# Altium PCB AVCI_Mk1.PcbDoc (part 2 of 4) (continued)
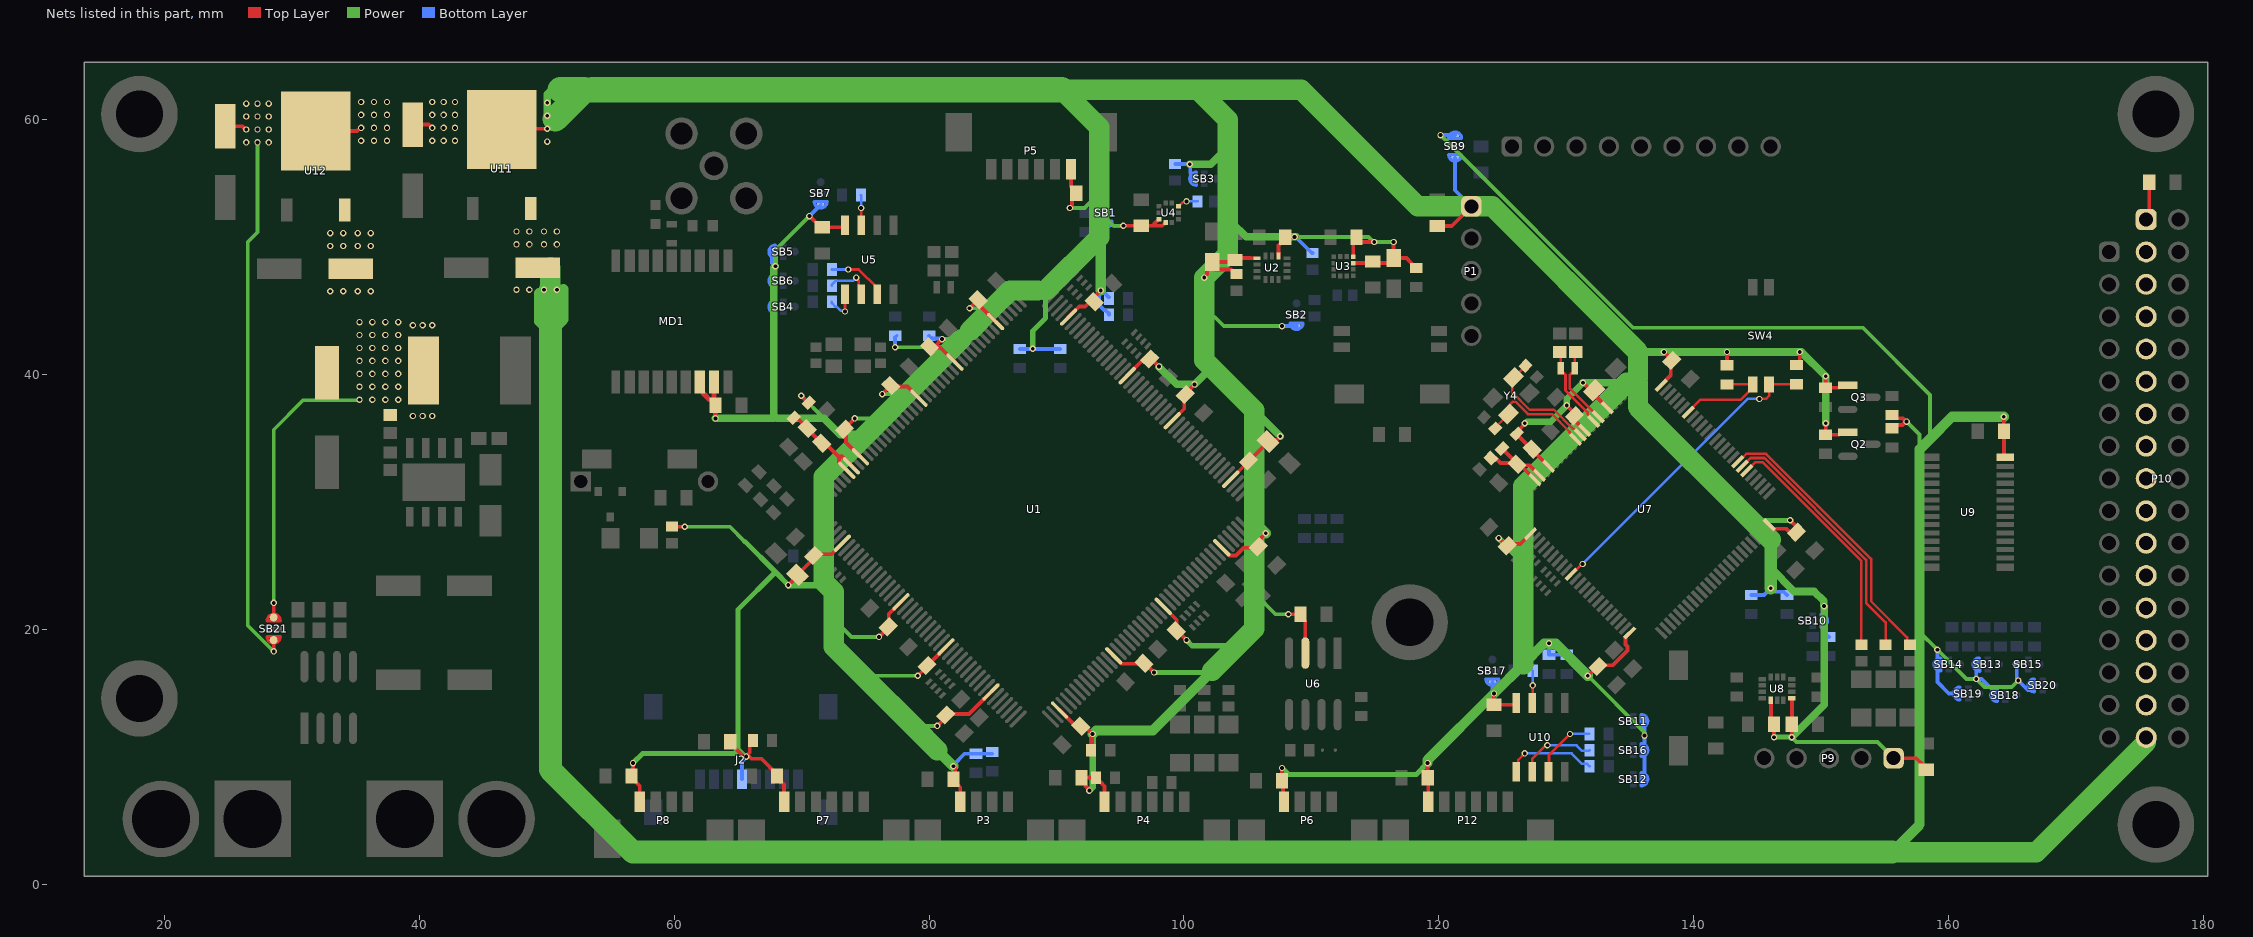
[diagram p4: the nets of this part, all layers, seen from the top]
## Part data (continued)
U6: library part CMP-0315-00015-3, "IC TRANSCEIVER HALF 1/1 8SOIC", Case/Package=D, Max Operating Temperature=85°C, Max Supply Current=17mA, Max Supply Voltage=3.6V, Min Operating Temperature=-40°C, Min Supply Voltage=3V, Operating Supply Voltage=3.3V, Package Quantity=1, Contact Plating=Gold, Data Rate=1Mbps, Lead Free="Lead Free", Nominal Supply Current=17mA, Number of Drivers=1, Number of Pins=8, Number of Receive Buffers=1, Number of Receivers=1, Number of Transceivers=1, Number of Transmit Buffers=1, Number of I/Os=2, Packaging="Tape and Reel", Radiation Hardening=No, REACH SVHC="No SVHC", Termination=SMD/SMT, Weight=0.002561oz
U7: library part CMP-0243-00017-5, Ambient Temperature Range High=85°C, Case/Package=LQFP, Frequency=168MHz, Manufacturer Package Identifier=1L_ME_V5, Max Junction Temperature (Tj)=125°C, Max Supply Voltage=3.6V, Min Operating Temperature=-40°C, Min Supply Voltage=1.8V, Nominal Supply Current=1.7µA, Address Bus Width=32b, Core Architecture="ARM Cortex-M4", Data Bus Width=32b, Flash Memory Size=1MB, Height=1.45mm, Lead Free="Lead Free", Length=14.2mm, Lifecycle Status=Production, Max Frequency=168MHz, Max Operating Temperature=85°C, Memory Size=1MB, Memory Type=FLASH, NexarPartId=20570110, Number of A/D Converters=3, Number of ADC Channels=16, Number of Channels=16, Number of D/A Converters=2, Number of Ethernet Channels=1, Number of Pins=100, Number of Programmable I/O=82, Number of PWM Channels=2, Number of SPI Channels=3, Number of Timers/Counters=14, Number of UART Channels=2, Number of USART Channels=4, Number of USB Channels=1, Number of I2C Channels=3, Number of I/Os=82, Oscillator Type=Internal, Peripherals="Brown-out Detect/Reset, DMA, I2C, LCD, POR, PWM, WDT", Radiation Hardening=No, RAM Size=192kB, REACH SVHC="No SVHC", RoHS=Compliant, Schedule B="8542310000, 8542310000", Watchdog Timer=Yes, Width=14.2mm, Interface="CAN, Ethernet, I2C, I2S, IrDA, LIN, SPI, UART, USART, USB"
U8: library part CMP-2000-07467-2, "IMU ACCEL/GYRO I2C/SPI 14LGA", Manufacturer=STMicroelectronics, Max Supply Voltage=3.6V, Min Supply Voltage=1.62V, Operating Supply Current=0.29-0.65mA, Package=LGA-14L-DM00249496, Temperature="-40°C to +85°C", Temperature Range High=+85°C, Temperature Range Low=-40°C, Accel Range=2/4/8/16g, Automotive=No, Category=IC, ComponentLink2Description=Datasheet, ComponentLink2URL=https://www.st.com/resource/en/datasheet/lsm6dsl.pdf, Device Class L1=Sensors, Device Class L2="Motion Sensors", Device Class L3="Inertial Measurement Units (IMUs)", Digikey Description="IMU ACCEL/GYRO I2C/SPI 14LGA", Footprint Url=https://www.st.com/resource/en/technical_note/cd00134799.pdf, Gyro Range=125/250/500/1000/2000°/s, Height=0.86mm, Lead Free=Yes, Manufacturer Part Number=LSM6DSLTR, Mouser Description="iNEMO inertial module: always-on 3D accelerometer and 3D gyroscope", Octopart=https://octopart.com/lsm6dsltr-stmicroelectronics-66358193, Resolution=16bits, RoHS=TRUE, Sensor Output=I2C,SPI, Sensor Type=Temperature,Accelerometer,Gyroscope
U9: library part CMP-1595-00003-3, "IC LED DRIVER RGBA 28-TSSOP", Ambient Temperature Range High=+85°C, Ambient Temperature Range Low=-40°C, Manufacturer="NXP Semiconductors", Max Power Dissipation=400mW, Max Supply Voltage=5.5V, Min Supply Voltage=2.3V, Nominal Supply Current=6mA, Output Current=25mA, Output Voltage=5V, Package=SOT361-1, Temperature="-40°C to +85°C", Automotive=No, Category=IC, Ciiva Ids=1426473, ComponentLink2Description=Datasheet, ComponentLink2URL=https://www.nxp.com/docs/en/data-sheet/PCA9685.pdf, Device Class L1="Integrated Circuits (ICs)", Device Class L2="Power Management ICs", Device Class L3="LED Drivers", Digikey Description="IC LED DRIVER RGBA 28-TSSOP", Dimming=I2C,PWM, Footprint Url=https://www.nxp.com/docs/en/package-information/SOT361-1.pdf, Height=1.1mm, Lead Free=Yes, Manufacturer Part Number=PCA9685PW,118, Mouser Description="LED Display Drivers I2C Bus LED Controller 28-Pin", Number Of Outputs=16, Octopart=https://octopart.com/pca9685pw%2C118-nxp+semiconductors-11853435, Release Date=1454319143, RoHS=TRUE, Standoff Height=0.05mm, Temperature Range High=+85°C, Temperature Range Low=-40°C, Import Ts=1521846855
U11 U12: library part CMP-0244-00125-1, "1.5A, Low Drop Positive Voltage Regulator, 3.3V, 3-Pin DPAK, Tape and Reel", Component Type=VRM, ComponentLink1Description="Manufacturer URL", ComponentLink1URL=http://www.st.com, ComponentLink2Description=Datasheet, ComponentLink2URL=http://www.st.com/internet/com/TECHNICAL_RESOURCES/TECHNICAL_LITERATURE/DATASHEET/CD00001884.pdf, DatasheetVersion=11/07/2011, PackageDescription="3-Pin Transistor Outline Package 2.28 mm Pitch, 9.7 mm Lead Span (DPAK)", PackageReference=TO-252, PackageVersion=2011
U13: library part CMP-2000-04960-2, "IC REG BUCK ADJUSTABLE 3A 8SOPWR", Manufacturer="Texas Instruments", Max Junction Temp=+125°C, Max Supply Voltage=36V, Min Supply Voltage=5.5V, Nominal Supply Current=3mA, Output Current=3A, Output Voltage=1.23-31V, Package=DDA0008J, Switching Frequency=500kHz, Temperature="-40°C to +125°C", Temperature Range Low=-40°C, Automotive=No, Category=IC, Component Type=VRM, ComponentLink2Description=Datasheet, ComponentLink2URL=http://www.ti.com/lit/ds/symlink/tps5431.pdf, Device Class L1="Integrated Circuits (ICs)", Device Class L2="Power Management ICs", Device Class L3="Voltage Regulators - Switching", Digikey Description="IC REG BUCK ADJUSTABLE 3A 8SOPWR", Height=1.7mm, Lead Free=Yes, Manufacturer Part Number=TPS5430DDA, Max Duty Cycle=89%, Mouser Description="Voltage Regulators - Switching Regulators 5.5 to 36V Input 3A Step Dwn Converter", Number Of Outputs=1, Octopart=https://octopart.com/tps5430dda-texas+instruments-589977, Output Type=AdjustableProgrammable, RoHS=TRUE, Standoff Height=0mm, Switching Topology=Buck, Temperature Range High=+125°C
U14: library part CMP-82923-000166-2, "SENSOR CURRENT HALL 30A AC/DC", Case/Package=SOIC, Current Sensing=30A, Frequency=120kHz, Max Operating Temperature=150°C, Max Supply Current=14mA, Min Operating Temperature=-40°C, Accuracy=0.8%, Linearity=1.5%, Mount="Surface Mount", Number of Channels=1, Number of Pins=8, Packaging="Tape and Reel", Polarity=Bidirectional, Response Time=4us, RoHS Compliant=Yes, Sensitivity=66mV/A
Y1 Y4: library part CMP-27762-010178-1, "Crystal 25MHz ±10ppm 10pF SMD-4 3.2mm x 2.5mm", Case/Package=SMD/SMT, ESR (Equivalent Series Resistance)=50R, Frequency=25MHz, Frequency Stability=15ppm, Frequency Tolerance=10ppm, Load Capacitance=10pF, Max Operating Temperature=85°C, Min Operating Temperature=-40°C, Height=0.031inch, Length=0.126inch, Mount="Surface Mount", Packaging="Tape and Reel", RoHS Compliant=Yes, Width=0.098inch
Y2 Y3: library part CMP-27762-008890-2, "Crystal 32.768kHz ±20ppm (Tol) 12.5pF FUND 90kΩ 2-Pin SMD T/R", Case/Package=CSMD, ESR (Equivalent Series Resistance)=90kR, Frequency=32.768kHz, Frequency Tolerance=20ppm, Load Capacitance=12.5pF, Max Operating Temperature=85°C, Min Operating Temperature=-40°C, Operating Frequency="32.768 kHz", Package Quantity=3000, Depth=1mm, Height=0.5mm, Lead Free="Lead Free", Length=1.6mm, Mount="Surface Mount", Number of Pins=2, Packaging="Tape and Reel", Radiation Hardening=No, REACH SVHC="No SVHC", RoHS Compliant=Yes, Series=ABS05, Series Resistance=90kR, Termination=SMD/SMT, Tolerance=20ppm, Width=1mm

## Via types
v1: diameter 0.5, hole 0.3, Top Layer to Bottom Layer, 609 vias
v2: diameter 0.5, hole 0.2, Top Layer to Bottom Layer, 8 vias
v3: diameter 0.5/0.5/0.5/0.5 (per signal layer), hole 0.3, Top Layer to Bottom Layer, 1 vias

## Nets (pads, with @x,y where several pads share a name; then routed paths per layer and width w, separated by ;. In a path a pad name is that pad's centre, name@x,y a point inside that pad or via, vN(x,y) a via of type N, cw(c..) or ccw(c..) an arc to the next point about the centre after c; other vN are vias at no path point)
+3V3: C10.2 C11.1 C12.1 C13.1 C14.1 C15.1 C16.1 C17.1 C18.1 C19.1 C20.2 C21.1 C22.1 C23.1 C24.1 C25.1 C26.1 C27.1 C29.2 C30.2 C31.1 C32.1 C33.1 C34.1 C35.1 C36.1 C37.1 C40.1 C41.1 C42.1 C44.1 C45.1 C46.1 C47.1 C48.1 C49.1 C59.2 C60.1 C61.1 C62.1 C63.1 C64.1 C65.1 C66.1 C67.1 C69.2 C70.1 C71.1 C78.1 C80.1 FB1.1 FB2.1 J2.4 MD1.7 MD1.8 P1.1 P3.1 P4.1 P5.1 P6.1 P7.1 P8.1 P9.1 P12.1 Q2.1 Q3.1 R11.1 R20.2 R21.2 R22.2 R23.2 R24.2 R25.2 R26.2 R27.2 R28.2 R29.2 R31.2 R32.1 R33.2 R36.2 R44.2 R47.1 R50.1 R51.2 R52.2 R53.2 R54.2 R59.2 R61.1 R62.2 SB1.1 SB2.1 SB3.1 SB4.1 SB5.1 SB6.1 SB7.1 SB9.2 SB10.1 SB11.1 SB12.1 SB16.1 SB17.1 SB21.2 U1.6 U1.15 U1.23 U1.36 U1.49 U1.62 U1.72 U1.82 U1.91 U1.103 U1.114 U1.127 U1.136 U1.149 U1.159 U1.172 U2.5 U2.8 U3.9 U3.10 U4.1 U4.10 U5.8 U6.3 U7.6 U7.11 U7.19 U7.28 U7.50 U7.75 U7.100 U8.5 U8.8 U10.8 U11.4 U12.4 | length 809.4
  Top Layer w0.3: C80.1@24.765,59.505 26.102,59.505 26.362,59.245 v1(26.416,59.245) ; v1(28.575,18.288) 28.575,18.923 SB21.2@28.575,19.177 ; U12.4@31.877,59.118 35.125,59.118 35.379,59.372 v1(35.433,59.372) ; C78.1@39.497,59.632 40.747,59.632 41.007,59.372 v1(41.021,59.372) ; U11.4@46.482,59.245 46.545,59.309 v1(50.038,59.309) ; C49.1@56.66,8.384 57.307,7.737 P8.1@57.307,6.483 ; C49.1@56.66,8.509 56.769,8.618 v1(56.769,9.525) ; R36.2@59.817,28.082 59.824,28.075 60.825,28.075 v1(60.833,28.067) ; MD1.7@62.017,39.446 62.267,39.196 MD1.7@62.267,38.562 ; C37.1@62.784,38.045 62.909,38.045 63.117,37.837 63.117,37.712 C37.1@63.237,37.592 C37.1@63.246,37.583 ; C42.1@64.402,11.209 64.402,11.084 65.415,10.071 65.621,10.071 v1(65.659,10.033) ; R44.2@66.179,11.303 65.929,11.053 65.929,10.357 65.659,10.087 v1(65.659,10.033) ; C48.1@68.081,8.384 68.63,7.835 P7.1@68.63,6.483 ; C48.1@68.081,8.509 68.081,8.634 66.847,9.868 66.059,9.868 65.932,9.995 65.697,9.995 v1(65.659,10.033) ; v1(68.961,23.495) 69.81,24.344 69.81,24.424 70.956,25.571 C25.1@70.956,25.818 71.044,25.907 72.333,25.907 U1.49@73.204,26.777 ; v1(69.977,38.354) 70.626,37.705 70.626,37.698 70.499,37.571 FB1.1@70.499,37.451 ; v1(70.612,52.451) 70.623,52.451 71.503,51.571 C36.1@71.628,51.571 73.256,51.571 U5.8@73.406,51.722 ; C12.1@73.032,35.851 C12.1@73.496,35.851 ; v1(74.168,36.576) 73.496,35.904 C12.1@73.496,35.851 ; U1.36@74.618,33.565 73.496,34.687 73.496,35.21 73.407,35.299 73.407,35.763 C12.1@73.496,35.851 ; v1(76.073,19.431) 76.798,20.156 C24.1@76.798,20.23 ; v1(76.327,38.481) C26.1@76.999,39.153 ; C24.1@76.886,20.319 76.886,20.783 76.845,20.824 76.845,21.226 U1.62@77.8,22.181 ; C26.1@77.088,39.065 78.311,39.065 U1.23@79.214,38.161 ; v1(79.121,16.383) 79.846,17.108 C21.1@79.846,17.182 79.872,17.182 U1.72@81.335,18.645 ; C27.1@80.047,42.201 80.428,42.201 81.022,42.795 v1(81.03,42.795) ; C27.1@80.428,42.113 80.6,42.113 80.635,42.148 80.884,42.148 U1.15@82.042,40.99 ; v1(80.645,12.446) 81.317,13.118 C23.1@81.317,13.298 ; C23.1@81.406,13.386 83.147,13.386 U1.82@84.871,15.11 ; v1@82.042,9.271 82.042,8.248 81.924,8.13 82.252,7.802 82.277,7.802 82.453,7.626 P3.1@82.453,6.483 ; v1(83.185,45.212) C11.1@83.857,45.884 ; C11.1@83.803,45.593 U1.6@85.224,44.172 ; U1.91@90.245,13.696 91.532,12.409 C22.1@91.911,12.409 92.239,12.409 v1(92.837,11.811) 92.799,11.773 92.799,10.618 R21.2@92.722,10.541 ; U1.172@90.952,44.525 91.791,45.364 92.256,45.364 92.612,45.72 C13.1@92.964,45.72 92.964,46.101 v1(93.472,46.609) ; v1(91.059,53.086) 91.059,53.14 91.221,53.302 91.221,53.901 C46.1@91.549,54.229 91.549,54.354 91.136,54.767 P5.1@91.136,56.128 ; v1(92.583,7.366) 92.583,7.42 92.285,7.718 92.285,8.054 C45.1@91.957,8.382 93.003,8.382 93.353,8.032 93.453,8.032 93.776,7.709 P4.1@93.776,6.483 ; U1.103@94.488,17.938 95.103,17.323 C16.1@96.902,17.323 ; v1(95.25,51.689) C35.1@96.651,51.689 ; U1.159@95.548,39.929 96.857,41.238 C14.1@97.319,41.238 97.446,41.238 v1(98.044,40.64) ; C35.1@96.651,51.689 97.531,51.689 ; C16.1@96.864,17.362 96.938,17.362 v1(97.663,16.637) ; 97.743,51.913 98.035,52.206 U4.10@98.048,52.206 ; 97.785,51.943 97.531,51.689 ; U1.114@98.377,21.827 99.442,20.761 C17.1@99.442,19.902 ; U4.1@98.56,51.943 98.56,51.931 98.535,51.905 98.523,51.905 98.306,51.689 97.531,51.689 ; U1.149@99.084,36.394 100.025,37.335 100.025,38.355 C15.1@100.113,38.444 100.113,38.518 v1(100.838,39.243) ; C17.1@99.404,19.902 C17.1@99.442,19.902 ; C17.1@99.442,19.863 C17.1@99.442,19.902 ; v1(100.203,19.177) 99.478,19.902 C17.1@99.442,19.902 ; v1(101.6,47.625) 101.6,47.679 101.82,47.899 101.82,48.423 C29.2@102.235,48.838 ; U1.127@102.973,26.423 103.57,25.827 104.085,25.827 104.676,26.417 105.74,26.417 C18.1@105.828,26.506 105.828,26.961 v1(106.426,27.559) ; U1.136@103.68,31.797 106.339,34.457 C20.2@106.339,35.012 ; R32.1@104.14,47.894 104.065,47.894 103.699,48.26 102.489,48.26 102.489,48.584 C29.2@102.235,48.838 ; U2.8@105.735,49.141 105.733,49.144 105.262,49.144 105.244,49.161 104.109,49.161 103.786,48.838 C29.2@102.235,48.838 ; C20.2@106.593,34.758 107.148,34.758 v1(107.569,35.179) ; U2.5@107.416,49.318 107.416,50.132 C32.1@107.959,50.675 ; v1(107.696,9.144) 107.696,8.137 C47.1@107.705,8.128 ; C47.1@107.779,7.8 107.779,6.557 P6.1@107.853,6.483 ; C32.1@107.959,50.8 v1@108.839,50.8 ; v1(108.204,21.209) C40.1@109.14,21.209 ; C40.1@109.14,21.084 109.53,20.694 U6.3@109.53,18.162 ; U3.9@113.285,48.764 116.074,48.764 C30.2@116.459,49.149 ; U3.10@113.285,49.264 C34.1@113.285,50.681 ; C34.1@113.547,50.8 113.547,50.747 113.875,50.419 v1(114.935,50.419) ; v1(116.459,50.419) C30.2@116.459,49.149 ; R11.1@118.237,48.375 118.137,48.375 117.887,48.625 117.887,48.725 117.463,49.149 C30.2@116.459,49.149 ; v1(119.126,9.525) 119.126,8.391 C71.1@119.135,8.382 119.176,8.341 P12.1@119.176,6.483 ; C41.1@119.888,51.68 121.022,51.68 P1.1@122.555,53.213 ; C69.2@123.952,14.106 C69.2@124.333,14.106 ; v1(124.333,14.986) C69.2@124.333,14.106 ; v1(124.714,27.178) 125.185,26.707 125.185,26.58 C62.1@125.387,26.58 ; C62.1@125.514,26.707 125.552,26.669 125.939,26.669 125.978,26.707 126.391,26.707 U7.28@127.203,27.519 ; U10.8@126.075,14.248 125.933,14.106 C69.2@124.333,14.106 ; v1(126.746,36.195) 126.746,36.141 126.29,35.685 126.29,35.478 126.298,35.47 126.134,35.306 U7.19@128.618,32.823 ; v1(130.048,37.592) 130.659,36.981 C60.1@130.659,36.79 130.659,36.438 U7.11@131.446,35.651 ; v1(131.318,39.37) 131.913,38.775 C59.2@132.195,38.775 132.195,38.437 U7.6@133.214,37.419 ; v1(131.699,16.383) 132.424,17.108 C61.1@132.498,17.108 ; C61.1@132.587,17.196 133.645,17.196 134.803,18.354 134.803,18.684 134.663,18.823 134.663,19.423 U7.50@134.982,19.741 ; U7.100@137.456,39.187 138.2,39.93 138.2,41.022 C63.1@138.288,41.111 138.288,41.163 v1(137.668,41.783) ; R47.1@142.621,40.743 v1(142.621,41.783) ; U7.75@145.942,28.227 146.26,27.908 147.277,27.908 147.57,27.615 148.034,27.615 C65.1@148.067,27.649 148.067,28.082 v1(147.574,28.575) ; U8.5@146.049,14.454 146.074,14.429 146.074,12.812 C66.1@146.313,12.573 146.304,12.564 v1(146.304,11.557) ; U8.8@147.574,14.592 147.599,14.617 U8.8@147.711,14.617 147.711,12.583 C67.1@147.701,12.573 v1(147.701,11.557) ; R50.1@148.082,40.755 148.086,40.755 148.336,41.005 v1(148.336,41.783) ; v1(150.368,36.195) 150.368,35.315 R59.2@150.347,35.294 151.43,35.294 151.63,35.494 Q2.1@152.104,35.494 ; v1(150.368,39.878) 150.368,38.998 R62.2@150.347,38.977 151.409,38.977 151.609,39.177 Q3.1@152.082,39.177 ; P9.1@155.702,9.906 157.473,9.906 157.99,9.389 C70.1@158.115,9.389
  Top Layer w0.4: MD1.7@62.267,38.562 C37.1@62.784,38.045 ; C37.1@63.117,37.837 MD1.8@63.117,39.446 ; v1(63.246,36.576) C37.1@63.246,37.583
  Power w0.3: v1(27.305,58.229) 27.305,51.181 26.543,50.419 26.543,20.32 v1(28.575,18.288) ; 50.8,59.817 51.054,59.817 ; v1(60.833,28.067) 64.389,28.067 65.532,26.924 ; 67.945,49.784 v1(70.612,52.451) ; v1(69.977,38.354) 71.755,36.576 ; 72.517,20.828 73.914,19.431 v1(76.073,19.431) ; v1(74.168,36.576) 76.073,36.576 76.2,36.449 ; 74.993,16.192 75.184,16.383 v1(79.121,16.383) ; v1(76.327,38.481) 78.105,38.481 78.168,38.417 ; v1(77.343,42.164) 78.105,42.164 81.915,42.164 ; 78.867,12.319 78.994,12.446 v1(80.645,12.446) ; v1(81.03,42.795) 82.546,42.795 82.995,43.243 ; v1(83.185,45.212) 84.963,45.212 85.153,45.402 ; v1(91.059,53.086) 92.202,53.086 93.345,54.229 ; 93.345,50.8 93.472,50.673 ; 93.345,52.832 94.488,51.689 v1(95.25,51.689) ; 101.6,44.196 101.981,43.815 ; 101.6,45.339 103.124,43.815 v1(107.696,43.815) ; 102.108,16.637 102.235,16.764 ; 102.108,40.513 102.235,40.513 ; 104.965,29.083 105.474,28.575 ; 105.537,22.86 107.188,21.209 v1(108.204,21.209) ; v1@108.818,50.818 114.482,50.818 114.881,50.419 v1(114.935,50.419) v1(116.459,50.419) ; v1(128.651,18.923) v1@128.689,18.885 ; v1@131.28,39.332 v1(131.318,39.37) ; v1(131.699,16.383) 136.106,11.976 ; v1(136.144,11.684) 136.144,11.938 ; v1(147.701,11.557) 148.082,11.176 154.432,11.176 P9.1@155.702,9.906 ; v1@150.208,21.877 v1(150.241,21.844)
  Power w0.4: v1(56.769,9.525) 57.531,10.287 64.729,10.287 65.024,10.582 ; 65.532,26.924 67.945,24.511 ; v1@65.538,10.083 65.582,10.083 v1@65.632,10.033 ; v1@65.573,10.033 65.024,10.582 ; v1(67.945,48.514) 67.945,49.784 ; v1(68.961,23.495) 67.945,24.511 ; v1(88.138,42.037) 88.138,43.434 89.154,44.45 89.154,46.609 ; v1(97.663,16.637) 102.108,16.637 ; v1(100.203,19.177) 100.647,18.732 104.203,18.732 ; v1(107.696,9.144) 108.204,8.636 118.237,8.636 v1(119.126,9.525) ; v1@128.64,18.912 v1(128.651,18.923) ; 144.526,28.575 v1(147.574,28.575) ; v1(146.304,11.557) v1(147.701,11.557) ; 65.024,10.582 65.024,21.59 67.945,24.511
  Power w0.5: v1(68.961,23.495) 72.009,23.495 71.755,23.749 ; v1(92.583,7.366) 92.837,7.62 v1(92.837,11.811) ; v1(124.714,27.178) 126.365,25.527 ; v1@126.8,36.195 126.927,36.322 128.778,36.322 v1(130.048,37.592) 130.048,38.1 v1@131.28,39.332
  Power w0.6: 50.419,60.325 v1(50.038,60.325) v1(50.038,61.341) 50.038,62.006 50.389,62.357 51.054,62.357 ; v1(63.246,36.576) 67.818,36.576 ; v1(67.945,48.514) 67.818,48.387 67.818,36.83 68.072,36.576 71.755,36.576 73.025,35.306 75.057,35.306 ; v1(98.044,40.64) 99.441,39.243 v1(100.838,39.243) 102.108,40.513 ; v1(100.461,56.524) 102.117,56.524 103.251,57.658 ; 103.759,51.943 104.884,50.818 v1(108.691,50.818) v1@108.818,50.818 ; 105.537,37.211 v1(107.569,35.179) ; v1(131.318,39.37) 134.747,39.37 135.255,39.37 135.636,39.751 ; 135.636,41.783 v1(137.668,41.783) v1(142.621,41.783) v1(148.336,41.783) 148.463,41.783 v1(150.368,39.878) v1(150.368,36.195) ; 146.05,24.839 147.902,22.987 149.479,22.987 150.208,22.258 v1@150.208,21.877 ; v1(147.701,11.557) 150.241,14.097 v1(150.241,21.844)
  Power w0.8: 80.645,10.541 v1(81.915,9.271) ; v1(92.837,11.811) 93.113,12.087 97.558,12.087 102.108,16.637 ; v1(93.472,46.609) 93.472,50.673 ; 105.474,28.575 105.474,28.511 105.537,28.448 v1(106.426,27.559) ; v1(119.126,9.525) 119.126,9.779 v1(124.333,14.986) 126.619,17.272 128.259,18.912 v1@128.64,18.912 ; v1@128.689,18.885 129.197,18.885 v1(131.699,16.383) ; 135.636,39.37 135.636,39.751
  Power w1: v1(146.05,23.241) 146.05,24.839 146.05,27.051
  Power w1.6: 52.959,62.357 53.594,62.357 ; 71.755,23.749 71.755,32.004 75.057,35.306 76.2,36.449 78.168,38.417 81.915,42.164 82.546,42.795 ; 72.009,23.495 72.517,22.987 72.517,20.828 72.517,18.669 74.993,16.192 78.867,12.319 80.645,10.541 ; 83.185,43.434 84.963,45.212 ; 85.153,45.402 86.36,46.609 88.519,46.609 ; 89.154,46.609 93.345,50.8 93.345,52.832 93.345,54.229 93.345,59.436 90.424,62.357 101.092,62.357 ; 102.235,16.764 104.203,18.732 105.537,20.066 105.537,22.86 105.537,28.448 105.537,37.211 102.235,40.513 101.6,41.148 101.6,44.196 101.6,45.339 v1(101.6,47.625) 103.441,49.466 103.441,60.008 101.092,62.357 ; 126.619,17.272 126.619,31.242 134.747,39.37 ; 135.636,39.37 135.636,37.465 144.526,28.575 146.05,27.051 ; 135.636,39.751 135.636,41.783 124.206,53.213 P1.1@122.555,53.213 118.364,53.213 109.22,62.357 101.092,62.357
  Power w2: 50.673,60.071 52.959,62.357 51.054,62.357 ; 53.594,62.357 90.424,62.357
  Bottom Layer w0.3: J2.4@65.323,8.255 65.323,9.643 65.659,9.979 v1(65.659,10.033) ; SB4.1@67.691,45.339 67.691,45.779 67.691,46.931 SB6.1@67.691,47.371 67.691,47.811 67.691,48.206 67.945,48.46 v1(67.945,48.514) 67.945,48.519 67.691,48.773 67.691,49.217 SB5.1@67.691,49.657 ; v1(70.612,52.451) 71.292,53.131 SB7.1@71.501,53.34 ; v1(77.343,42.164) 77.343,42.938 R26.2@77.47,43.065 ; R27.2@80.01,43.065 80.241,42.834 80.992,42.834 v1(81.03,42.795) ; v1(81.915,9.271) 81.953,9.309 81.953,9.424 82.792,10.263 R28.2@83.693,10.263 R29.2@84.963,10.263 ; R22.2@87.122,42.025 87.128,42.031 88.132,42.031 v1(88.138,42.037) 88.144,42.031 90.291,42.031 R23.2@90.297,42.025 ; SB1.1@93.853,51.816 93.917,51.752 94.249,51.752 94.391,51.752 94.454,51.689 v1(95.25,51.689) ; R24.2@94.119,44.704 94.119,44.804 93.869,45.054 93.769,45.054 93.345,45.478 93.345,46.428 93.472,46.555 v1(93.472,46.609) 93.482,46.599 93.594,46.599 R25.2@94.119,46.074 ; R33.2@99.318,56.539 99.325,56.531 100.453,56.531 v1(100.461,56.524) 100.499,56.485 100.499,55.831 100.6,55.73 100.715,55.615 SB3.1@100.715,55.381 ; v1(107.696,43.815) 108.399,43.815 SB2.1@108.839,43.815 ; v1@108.712,50.8 108.75,50.762 108.817,50.762 110.034,49.545 R31.2@110.109,49.545 ; SB9.2@121.285,57.023 121.285,56.769 121.285,54.483 P1.1@122.555,53.213 ; SB17.1@124.206,15.841 124.206,15.621 124.206,15.167 124.295,15.078 124.295,15.006 v1@124.241,14.952 ; v1(128.651,18.923) R51.2@128.651,18.022 R52.2@130.048,18.022 ; SB12.1@136.144,8.255 136.144,8.695 136.144,10.101 SB16.1@136.144,10.541 136.144,10.981 v1(136.144,11.684) 136.144,12.387 SB11.1@136.144,12.827 ; R54.2@144.526,22.721 145.53,22.721 v1(146.05,23.241) 146.104,23.241 146.374,22.971 147.07,22.971 R53.2@147.32,22.721 ; SB10.1@150.241,20.701 150.241,21.141 v1(150.241,21.844) ; SB10.1@150.368,20.623 150.368,20.365 150.368,19.669 150.618,19.419 R61.1@150.622,19.419
  other v1: 26.416,58.229 28.194,58.229 50.038,58.293 35.433,58.356 36.449,58.356 37.465,58.356 41.021,58.356 41.91,58.356 42.799,58.356 27.305,59.245 28.194,59.245 36.449,59.372 37.465,59.372 41.91,59.372 42.799,59.372 26.416,60.261 27.305,60.261 28.194,60.261 35.433,60.389 36.449,60.389 37.465,60.389 41.021,60.389 41.91,60.389 42.799,60.389 26.416,61.277 27.305,61.277 28.194,61.277 35.433,61.404 36.449,61.404 37.465,61.404 41.021,61.404 41.91,61.404 42.799,61.404
+3V3A: C6.1 C7.1 FB1.2 U1.38 U1.39 | length 7.4
  Top Layer w0.3: FB1.2@69.394,36.628 69.648,36.628 70.829,35.446 70.829,35.396 C6.1@71.591,34.634 71.839,34.634 72.925,33.548 ; U1.39@73.557,32.505 72.925,33.137 72.925,33.548 ; U1.38@73.911,32.858 73.18,33.589 72.965,33.589 72.925,33.548
+3V3A_F: C55.1 C56.2 FB2.2 U7.21 U7.22 | length 7.3
  Top Layer w0.3: C56.2@124.088,33.462 124.441,33.462 124.594,33.309 124.608,33.309 124.846,33.071 C55.1@126.237,33.071 ; FB2.2@124.968,34.215 C55.1@126.106,33.077 ; U7.22@127.557,31.762 126.425,32.894 127.132,32.894 U7.21@127.91,32.116
+5: C68.1 C72.1 C74.1 C77.1 C79.1 L2.2 P10.1 P10.3 P10.5 P10.7 P10.9 P10.11 P10.13 P10.15 P10.17 P10.19 P10.21 P10.23 P10.25 P10.27 P10.29 P10.31 P10.33 R60.2 R63.2 R74.2 SB9.1 SB13.1 SB14.1 SB15.1 SB18.1 SB19.1 SB20.1 SB21.1 U9.28 U11.3 U12.3 | length 325.4
  Top Layer w0.3: SB21.1@28.575,20.955 SB21.1@28.575,21.209 ; SB21.1@28.582,20.962 28.582,21.209 v1@28.582,22.091 ; R60.2@155.575,35.802 155.825,36.052 156.394,36.052 v1@156.664,36.322 ; R63.2@155.575,36.842 155.825,36.592 156.394,36.592 v1@156.664,36.322 ; v1(156.718,36.322) v1@156.664,36.322 ; v1(164.338,36.703) 164.338,35.569 C68.1@164.347,35.56 164.347,33.648 U9.28@164.46,33.535 ; P10.1@175.514,52.178 175.759,52.423 C72.1@175.759,55.118
  Top Layer w0.6: SB21.1@28.575,20.955 SB21.1@28.582,20.962
  Power w0.3: v1(28.575,22.098) 28.575,35.687 30.886,37.998 35.268,37.998 v1(35.306,38.036) ; v1(120.142,58.801) 135.255,43.688 153.289,43.688 158.559,38.417 158.559,34.989 ; v1(156.718,36.322) 157.734,35.306 157.734,34.163 ; 157.734,19.812 v1(159.131,18.415) 161.417,16.129 v1(162.179,16.129) 162.814,15.494 164.963,15.494 165.471,16.002 v1(165.481,16.002)
  Power w0.8: 49.403,46.394 49.403,44.196 50.292,43.307 51.308,44.323 51.308,46.736 ; 155.575,2.54 157.734,4.699 157.734,19.812 157.734,34.163 158.559,34.989 160.274,36.703 v1(164.338,36.703)
  Power w1.6: 50.292,46.672 50.292,48.387 ; 155.575,2.54 166.878,2.54 175.504,11.166 175.504,11.528 P10.33@175.514,11.538
  Power w1.8: 50.292,46.672 50.292,43.307 50.292,9.017 56.769,2.54 155.575,2.54
  Bottom Layer w0.3: v1(120.142,58.801) 120.845,58.801 SB9.1@121.285,58.801 ; v1(159.131,18.415) 159.131,17.712 SB14.1@159.131,17.272 159.131,16.832 159.131,15.875 160.02,14.986 160.401,14.986 SB19.1@160.655,14.986 SB19.1@160.714,14.986 ; 162.433,16.764 162.433,17.018 SB13.1@162.179,17.272 162.179,16.832 v1(162.179,16.129) 162.61,16.129 163.497,15.242 163.576,15.163 SB18.1@163.576,14.859 ; SB15.1@165.354,17.272 165.354,16.183 165.481,16.056 v1(165.481,16.002) 166.222,15.261 166.393,15.261 ; 166.392,15.262 166.497,15.367 SB20.1@166.497,15.621
  other v1: 39.497,36.767 40.259,36.767 41.021,36.767 36.322,38.036 37.338,38.036 38.354,38.036 35.306,39.052 36.322,39.052 37.338,39.052 38.354,39.052 35.306,40.069 36.322,40.069 37.338,40.069 38.354,40.069 35.306,41.084 36.322,41.084 37.338,41.084 38.354,41.084 35.306,42.1 36.322,42.1 37.338,42.1 38.354,42.1 35.306,43.116 36.322,43.116 37.338,43.116 38.354,43.116 39.497,43.878 40.259,43.878 41.021,43.878 35.306,44.133 36.322,44.133 37.338,44.133 38.354,44.133 33.02,46.545 34.036,46.545 35.179,46.545 36.195,46.545 47.625,46.672 48.641,46.672 49.784,46.672 50.8,46.672 33.02,50.102 34.036,50.102 35.179,50.102 36.195,50.102 47.625,50.228 48.641,50.228 49.784,50.228 50.8,50.228 33.02,51.117 34.036,51.117 35.179,51.117 36.195,51.117 47.625,51.244 48.641,51.244 49.784,51.244 50.8,51.244
BARO_SA0: R35.2 U4.5 | length 1.7
  Top Layer w0.2: U4.5@99.573,53.205 99.585,53.205 99.925,53.545 100.149,53.545 v1(100.207,53.603)
  Bottom Layer w0.2: v1(100.207,53.603) R35.2@101.081,53.603
EEPROM_A0: R38.2 U5.1 | length 2.8
  Top Layer w0.2: v1(73.406,44.958) U5.1@73.406,46.322
  Bottom Layer w0.2: R38.2@72.378,45.72 72.378,45.62 72.678,45.32 72.778,45.32 73.083,45.015 73.349,45.015 v1(73.406,44.958)
EEPROM_A1: R40.2 U5.2 | length 3.7
  Top Layer w0.2: v1(74.295,47.625) 74.295,47.544 74.476,47.363 74.476,46.522 U5.2@74.676,46.322
  Bottom Layer w0.2: R40.2@72.378,46.99 72.378,47.071 72.678,47.371 74.028,47.371 74.282,47.625 v1(74.295,47.625)
EEPROM_A2: R39.2 U5.3 | length 4.6
  Top Layer w0.2: v1(73.66,48.26) 74.483,48.26 75.946,46.797 U5.3@75.946,46.322
  Bottom Layer w0.2: R39.2@72.378,48.26 v1(73.66,48.26)
EEPROM_WP: R41.2 U5.7 | length 2.4
  Top Layer w0.2: U5.7@74.676,51.722 v1(74.676,53.086)
  Bottom Layer w0.2: R41.2@74.664,54.102 74.676,54.09 v1(74.676,53.086)
FCC_BOOT0: R47.2 SW4.1 U7.94 | length 8.2
  Top Layer w0.2: U7.94@139.578,37.065 140.558,38.046 143.711,38.046 144.653,38.988 SW4.1@144.653,39.243 R47.2@142.621,39.243
FCC_BOOT1: R50.2 SW4.2 U7.37 | length 24.4
  Top Layer w0.2: U7.37@130.385,24.337 130.447,24.337 131.256,25.146 v1(131.287,25.146) v1@131.318,25.146 ; v1(145.161,38.1) 145.669,38.1 145.935,38.366 145.935,39.255 R50.2@148.082,39.255
  Bottom Layer w0.2: v1(131.287,25.146) 144.241,38.1 v1(145.161,38.1)
FCC_LED_0: R55.1 U7.81 | length 19.1
  Top Layer w0.2: U7.81@144.174,32.469 144.852,33.147 145.415,33.147 153.162,25.4 R55.1@153.162,18.811
FCC_LED_1: R56.1 U7.82 | length 20.6
  Top Layer w0.2: U7.82@143.82,32.823 144.465,33.467 145.548,33.467 153.543,25.472 153.543,22.098 155.067,20.574 R56.1@155.067,18.811
FCC_LED_2: R57.1 U7.83 | length 22.1
  Top Layer w0.2: U7.83@143.467,33.176 143.518,33.176 144.129,33.787 145.68,33.787 153.924,25.543 153.924,22.225 156.755,19.394 156.755,19.028 R57.1@156.972,18.811
FCC_M_A0: R64.2 U10.1 | length 7.2
  Top Layer w0.2: U10.1@126.075,8.848 126.241,9.014 126.241,9.782 v1(126.746,10.287)
  Bottom Layer w0.2: v1(126.746,10.287) 130.429,10.287 131.255,9.461 131.648,9.461 R64.2@131.838,9.271
FCC_M_A1: R69.2 U10.2 | length 6.2
  Top Layer w0.2: U10.2@127.345,8.848 127.345,9.87 128.34,10.865 128.467,10.865 v1(128.524,10.922)
  Bottom Layer w0.2: v1(128.524,10.922) 130.81,10.922 131.255,10.477 131.774,10.477 R69.2@131.838,10.541
FCC_M_A2: R65.2 U10.3 | length 5.2
  Top Layer w0.2: U10.3@128.615,8.848 128.651,8.884 128.651,10.16 v1(130.302,11.811)
  Bottom Layer w0.2: v1(130.302,11.811) R65.2@131.826,11.811
FCC_M_WP: R70.2 U10.7 | length 2.5
  Top Layer w0.2: U10.7@127.345,14.248 127.381,14.284 v1(127.381,15.621)
  Bottom Layer w0.2: v1(127.381,15.621) R70.2@127.381,16.764
FCC_OSC25_N: C58.2 U7.13 Y4.1 | length 8.7
  Top Layer w0.2: C58.2@124.521,35.88 124.521,35.96 Y4.1@125.484,36.922 125.484,37.523 125.843,37.883 126.009,37.883 126.988,36.903 128.886,36.903 130.262,35.527 130.262,35.492 130.739,35.015 U7.13@130.739,34.944
FCC_OSC25_P: C57.2 U7.12 Y4.3 | length 9.2
  Top Layer w0.2: C57.2@126.812,40.701 125.897,39.786 Y4.3@125.872,39.786 125.784,39.698 125.784,38.602 127.133,37.253 129.031,37.253 130.51,35.774 130.545,35.774 131.022,35.298 U7.12@131.092,35.298
FCC_OSC32_N: C52.2 U7.9 Y3.1 | length 6.6
  Top Layer w0.2: C52.2@129.488,41.783 129.573,41.698 Y3.1@129.573,40.513 129.573,40.263 129.723,40.113 129.831,40.113 129.948,39.996 129.948,38.776 131.676,37.047 131.676,36.906 132.153,36.429 U7.9@132.153,36.358
FCC_OSC32_P: C53.2 U7.8 Y3.2 | length 6.2
  Top Layer w0.2: C53.2@130.758,41.783 130.673,41.698 Y3.2@130.673,40.513 130.673,40.263 130.523,40.113 130.415,40.113 130.298,39.996 130.298,38.921 U7.8@132.507,36.712